# Altium PCB PROC114E3_BRD.PcbDoc (part 5 of 18)
Units mm, origin at the board's own origin, x right, y up, seen from the top; angles counter-clockwise.
Board outline 85 x 155.18 mm, 10 copper layers (TOP, L02_GND1, L03_SIG1, L04_GND2, L05_PWR1, L06_PWR2, L07_GND3, L08_SIG2, L09_GND4, BOTTOM), stack 1.134 mm thick; 1389 components, 1010 nets, 5137 pads, 3263 vias.
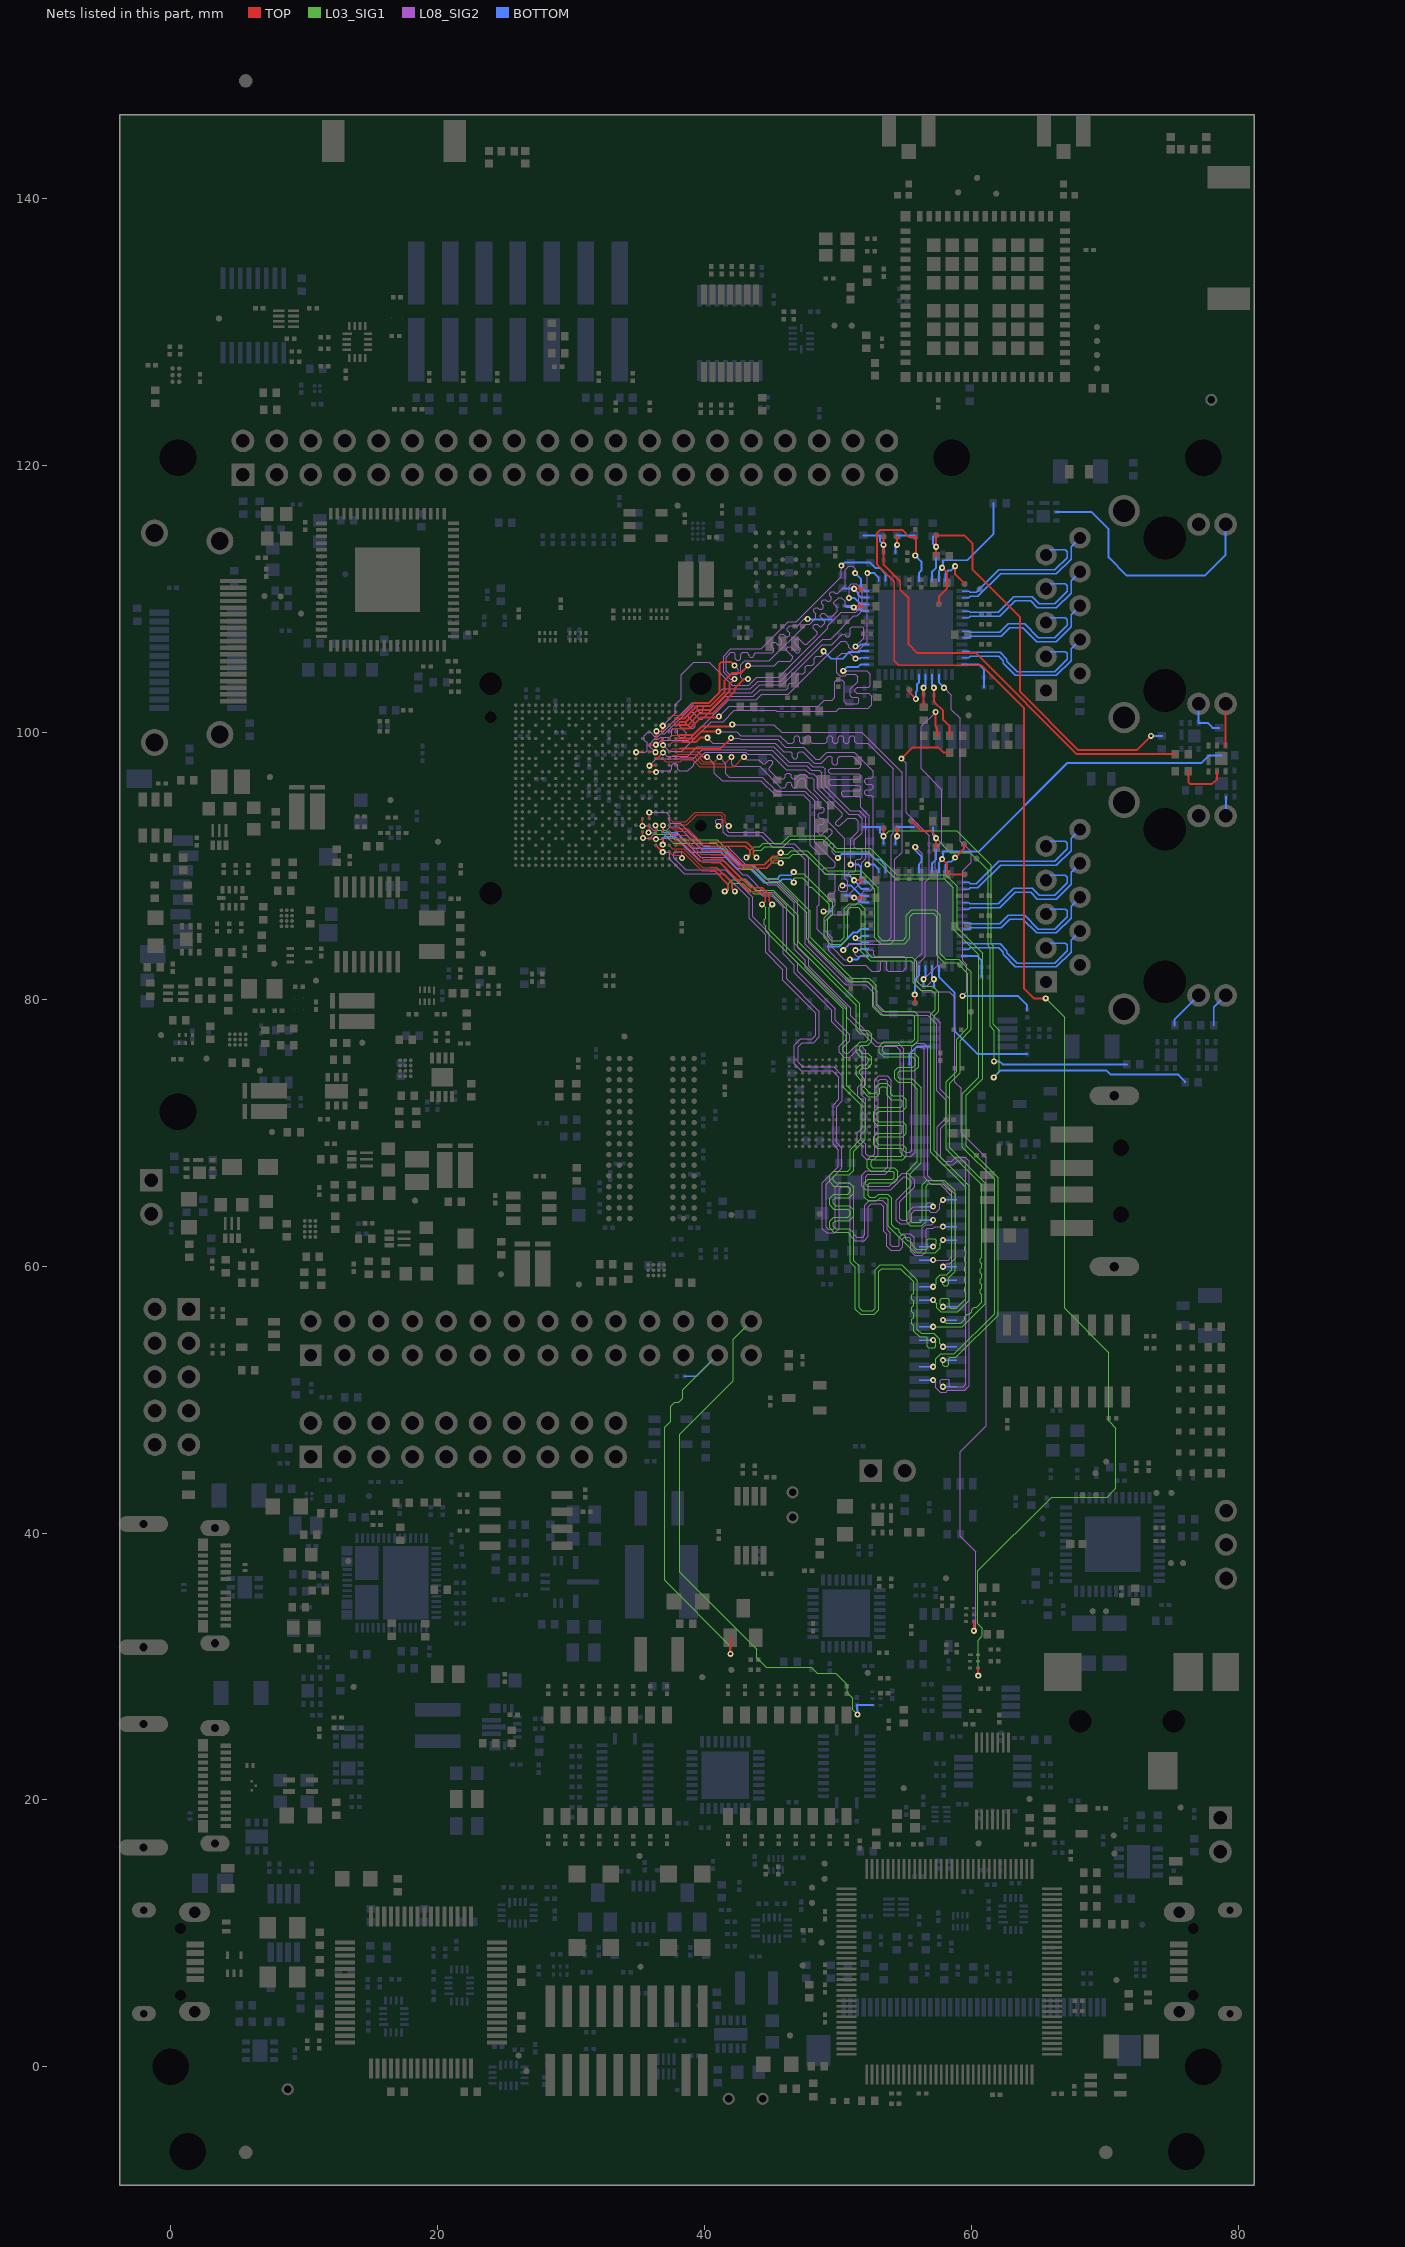
[diagram p13: the nets of this part, all layers, seen from the top]

## Via types
v1: diameter 0.457, hole 0.203, TOP to BOTTOM, 3263 vias

## Nets (pads, with @x,y where several pads share a name; then routed paths per layer and width w, separated by ;. In a path a pad name is that pad's centre, name@x,y a point inside that pad or via, vN(x,y) a via of type N, cw(c..) or ccw(c..) an arc to the next point about the centre after c; other vN are vias at no path point) (continued)
CH1_LVDS_A0N:  | length 66.7
  TOP w0.102: 35.86,92.045 36.326,92.045 v1(36.368,92.002)
  L08_SIG2 w0.081: v1(36.368,92.002) 36.732,92.002 36.811,92.081 37.887,92.081 39.596,90.372 41.451,90.372 42.77,89.052 43.055,89.052 44.347,87.76 45.041,87.76 45.894,86.906 45.894,83.396 46.719,82.57 46.719,82.002 49.547,79.175 49.547,78.315 50.63,77.232 50.63,76.998 50.096,76.465 50.096,76.019 50.449,75.667 50.901,75.667 51.468,76.233 51.629,76.233 51.816,76.046 51.816,73.721 51.486,73.391 51.486,72.747 51.816,72.417 51.816,70.347 51.46,69.992 51.46,69.373 51.816,69.018 51.816,68.326 52.121,68.021 52.73,68.021 53.035,68.326 53.035,73.86 53.166,73.99 53.59,73.99 53.746,73.834 53.746,67.441 53.456,67.15 52.139,67.15 51.804,66.815 51.804,66.027 52.095,65.735 53.975,65.735 54.922,66.683 55.132,66.683 55.507,66.308 55.507,66.077 54.381,64.951 54.381,63.449 54.661,63.17 55.27,63.17 55.537,63.436 55.537,63.976 55.748,64.187 56.818,64.187 56.947,64.059 57.379,64.059 57.633,64.313 57.633,64.71 v1(57.882,64.959)
  BOTTOM w0.108: v1(57.882,64.959) 58.912,64.959
CH1_LVDS_A0P:  | length 66.7
  TOP w0.102: 35.361,92.545 35.361,92.132 v1(35.405,92.087)
  L08_SIG2 w0.081: v1(35.405,92.087) 35.928,92.087 36.194,92.353 38,92.353 39.709,90.644 41.563,90.644 42.883,89.324 43.167,89.324 44.46,88.031 45.153,88.031 46.166,87.019 46.166,83.508 46.991,82.683 46.991,82.114 49.818,79.287 49.818,78.428 50.902,77.345 50.902,76.886 50.368,76.352 50.368,76.132 50.562,75.938 50.789,75.938 51.355,76.505 51.742,76.505 52.088,76.159 52.088,73.608 51.758,73.278 51.758,72.86 52.088,72.53 52.088,70.235 51.732,69.879 51.732,69.486 52.088,69.131 52.088,68.439 52.234,68.293 52.618,68.293 52.763,68.439 52.763,73.972 53.053,74.262 53.703,74.262 54.018,73.947 54.018,67.328 53.569,66.878 52.251,66.878 52.076,66.702 52.076,66.14 52.208,66.007 53.862,66.007 54.81,66.954 55.245,66.954 55.778,66.421 55.778,65.964 54.653,64.839 54.653,63.562 54.774,63.442 55.158,63.442 55.265,63.549 55.265,64.089 55.635,64.459 56.573,64.459 56.655,64.54 56.655,64.663 56.736,64.745 57.023,64.745 57.142,64.625 v1(57.142,64.459)
  BOTTOM w0.108: 56.112,64.459 v1(57.142,64.459)
CH1_LVDS_A1N:  | length 66.7
  TOP w0.081: 37.361,91.045 37.611,90.795 38.109,90.795 v1(38.317,90.587)
  L08_SIG2 w0.081: v1(38.317,90.587) 38.317,90.969 38.227,91.059 37.775,91.059 37.694,90.978 37.694,90.597 38.594,89.696 41.576,89.696 43.618,87.656 43.618,86.201 44.856,84.963 44.856,83.642 46.162,82.337 46.162,81.526 48.619,79.068 48.619,77.194 48.184,76.759 47.32,76.759 47.015,76.454 47.015,75.286 47.371,74.93 49.682,74.93 50.345,74.267 50.345,72.393 49.911,71.958 49.911,69.244 50.31,68.845 50.31,67.328 49.116,66.134 49.116,62.927 49.28,62.763 49.653,62.763 49.817,62.927 49.817,65.924 50.128,66.236 50.858,66.236 51.199,65.895 51.199,62.39 51.404,62.185 51.869,62.185 52.027,62.343 52.027,64.578 52.397,64.948 53.318,64.948 53.713,64.553 53.713,62.746 53.942,62.517 53.942,61.606 54.075,61.474 54.51,61.474 54.61,61.573 54.61,62.154 54.882,62.426 55.43,62.426 55.72,62.136 55.72,61.225 55.866,61.079 56.199,61.079 56.345,61.225 56.345,62.871 56.585,63.111 57.037,63.111 57.142,63.216 v1(57.142,63.459)
  BOTTOM w0.108: 56.112,63.459 v1(57.142,63.459)
CH1_LVDS_A1P:  | length 66.7
  TOP w0.102: 36.361,91.545 v1(36.876,91.029)
  L08_SIG2 w0.081: v1(36.876,91.029) 37.317,91.029 37.422,90.924 37.422,90.484 38.481,89.425 41.463,89.425 43.346,87.543 43.346,86.088 44.585,84.85 44.585,83.529 45.89,82.224 45.89,81.413 48.348,78.955 48.348,77.307 48.071,77.031 47.207,77.031 46.744,76.567 46.744,75.173 47.258,74.658 49.57,74.658 50.074,74.154 50.074,72.505 49.639,72.071 49.639,69.131 50.038,68.733 50.038,67.441 48.844,66.247 48.844,62.814 49.167,62.492 49.766,62.492 50.089,62.814 50.089,65.811 50.241,65.964 50.746,65.964 50.927,65.782 50.927,62.277 51.291,61.913 51.982,61.913 52.299,62.23 52.299,64.465 52.509,64.676 53.205,64.676 53.442,64.44 53.442,62.633 53.67,62.404 53.67,61.493 53.962,61.202 54.623,61.202 54.882,61.46 54.882,62.041 54.995,62.154 55.318,62.154 55.448,62.023 55.448,61.112 55.753,60.808 56.312,60.808 56.617,61.112 56.617,62.758 56.698,62.84 57.15,62.84 57.27,62.959 v1(57.882,62.959)
  BOTTOM w0.108: v1(57.882,62.959) 58.912,62.959
CH1_LVDS_A2N:  | length 66.7
  TOP w0.102: v1(35.361,93.002) 35.361,93.545
  L08_SIG2 w0.081: v1(35.361,93.002) 35.83,93.002 36.163,92.669 37.186,92.669 37.456,92.939 38.096,92.939 39.843,91.192 41.595,91.192 42.94,89.847 43.484,89.847 44.742,88.589 45.384,88.589 46.723,87.25 46.723,83.739 47.549,82.914 47.549,82.346 50.681,79.214 50.681,78.653 52.854,76.479 54.378,76.479 54.661,76.196 54.661,68.555 54.966,68.25 55.499,68.25 55.804,68.555 55.804,76.323 55.903,76.423 56.339,76.423 56.464,76.298 56.464,66.65 56.99,66.124 57.672,66.124 58.555,65.241 58.555,60.743 58.271,60.459 v1(57.142,60.459)
  BOTTOM w0.108: 56.112,60.459 v1(57.142,60.459)
CH1_LVDS_A2P:  | length 66.7
  TOP w0.102: 35.86,93.545 35.866,93.551 v1(35.866,94.002)
  L08_SIG2 w0.081: v1(35.866,94.002) 37.125,94.002 37.366,93.762 37.366,93.292 37.447,93.21 38.209,93.21 39.955,91.464 41.708,91.464 43.053,90.119 43.596,90.119 44.855,88.861 45.497,88.861 46.995,87.363 46.995,83.852 47.821,83.027 47.821,82.458 50.952,79.326 50.952,78.765 52.967,76.751 54.491,76.751 54.933,76.309 54.933,68.667 55.078,68.522 55.386,68.522 55.532,68.667 55.532,76.436 55.791,76.695 56.452,76.695 56.736,76.411 56.736,66.762 57.103,66.396 57.785,66.396 58.826,65.354 58.826,60.63 58.384,60.187 58.11,60.187 v1(57.882,59.959)
  BOTTOM w0.108: v1(57.882,59.959) 58.912,59.959
CH1_LVDS_A3N:  | length 66.8
  TOP w0.108: v1(36.341,93.027) 36.36,93.008 36.36,92.545
  L03_SIG1 w0.081: v1(36.341,93.027) 36.341,92.868 36.558,92.652 37.091,92.652 37.785,91.958 40.964,91.958 42.912,90.01 43.725,90.01 44.693,89.041 45.502,89.041 47.948,86.596 47.948,84.666 51.043,81.571 52.364,81.571 52.888,81.047 52.888,79.548 53.322,79.113 55.713,79.113 56.025,78.802 56.025,76.878 55.695,76.549 53.539,76.549 53.377,76.386 53.377,76.122 53.539,75.959 55.74,75.959 56.062,75.638 56.062,74.949 55.74,74.627 54.635,74.627 54.526,74.518 54.526,74.147 54.635,74.038 55.562,74.038 56.236,73.365 56.236,67.742 55.423,66.929 55.423,63.424 55.55,63.297 56.181,63.297 56.337,63.453 56.337,66.116 56.667,66.446 57.988,66.446 58.793,65.641 58.793,59.606 58.318,59.131 58.318,58.674 58.191,58.547 57.988,58.547 57.882,58.654 v1(57.882,58.959)
  BOTTOM w0.108: v1(57.882,58.959) 58.912,58.959
CH1_LVDS_A3P:  | length 66.8
  TOP w0.102: v1@35.816,92.501 35.86,92.546 35.86,93.045
  L03_SIG1 w0.081: v1(35.816,92.5) 36.325,92.5 36.445,92.38 36.979,92.38 37.672,91.686 40.851,91.686 42.799,89.738 43.612,89.738 44.58,88.77 45.39,88.77 47.676,86.483 47.676,84.553 50.93,81.299 52.251,81.299 52.616,80.934 52.616,79.435 53.209,78.842 55.601,78.842 55.753,78.689 55.753,76.991 55.583,76.821 53.427,76.821 53.105,76.499 53.105,76.009 53.427,75.688 55.627,75.688 55.79,75.525 55.79,75.062 55.627,74.899 54.523,74.899 54.254,74.631 54.254,74.034 54.523,73.766 55.449,73.766 55.964,73.252 55.964,67.855 55.151,67.042 55.151,63.311 55.437,63.025 56.294,63.025 56.609,63.34 56.609,66.003 56.78,66.175 57.875,66.175 58.522,65.528 58.522,59.719 58.162,59.36 57.683,59.36 57.379,59.055 57.379,58.695 v1(57.142,58.459)
  BOTTOM w0.108: 56.112,58.459 v1(57.142,58.459)
CH1_LVDS_CLKN:  | length 66.7
  TOP w0.081: 37.361,91.545 37.61,91.296 38.438,91.296 39.888,89.846 40.361,89.846 40.383,89.869
  TOP w0.108: 40.383,89.869 40.929,89.869 42.039,88.759 42.039,88.333 v1(42.285,88.087)
  L03_SIG1 w0.081: v1(42.285,88.087) 42.09,88.282 42.09,88.582 42.21,88.702 42.887,88.702 43.697,87.892 45.048,87.892 46.744,86.196 46.744,84.19 51.373,79.56 51.373,77.735 51.694,77.413 52.113,77.413 52.276,77.251 52.276,76.987 52.113,76.824 51.694,76.824 51.373,76.503 51.373,76.013 51.694,75.691 52.113,75.691 52.276,75.529 52.276,75.265 52.113,75.102 51.694,75.102 51.373,74.78 51.373,74.29 51.751,73.912 51.751,73.242 52.296,72.697 52.885,72.697 53.156,72.968 53.156,73.324 53.276,73.444 53.547,73.444 53.687,73.305 53.687,72.801 54.002,72.486 54.722,72.486 54.846,72.362 54.846,72.021 54.722,71.897 53.02,71.897 52.699,71.575 52.699,70.812 52.959,70.552 54.745,70.552 54.846,70.45 54.846,70.064 54.745,69.962 52.959,69.962 52.699,69.702 52.699,69.09 52.959,68.829 54.745,68.829 54.846,68.728 54.846,68.342 54.745,68.24 52.477,68.24 52.216,67.98 52.216,67.368 52.477,67.107 54.11,67.107 54.211,67.006 54.211,66.62 54.11,66.518 52.269,66.518 51.994,66.243 51.994,65.176 52.273,64.897 52.934,64.897 53.17,65.133 53.634,65.133 53.779,64.987 53.779,62.981 55.767,60.993 57.285,60.993 57.658,61.366 57.658,61.736 v1(57.882,61.959)
  BOTTOM w0.108: v1(57.882,61.959) 58.912,61.959
CH1_LVDS_CLKP:  | length 66.7
  TOP w0.081: 37.86,91.045 37.898,91.083 38.349,91.083 39.799,89.633 40.33,89.633 40.383,89.579
  TOP w0.108: 40.383,89.579 40.809,89.579 41.75,88.639 41.75,88.314 v1(41.523,88.087)
  L03_SIG1 w0.081: v1(41.523,88.087) 41.681,88.087 41.819,88.224 41.819,88.695 42.097,88.974 42.999,88.974 43.81,88.163 45.161,88.163 47.015,86.309 47.015,84.302 51.645,79.673 51.645,77.848 51.807,77.685 52.226,77.685 52.548,77.364 52.548,76.874 52.226,76.552 51.807,76.552 51.645,76.39 51.645,76.126 51.807,75.963 52.226,75.963 52.548,75.641 52.548,75.152 52.226,74.83 51.807,74.83 51.645,74.668 51.645,74.403 52.023,74.024 52.023,73.355 52.409,72.969 52.772,72.969 52.884,73.081 52.884,73.436 53.163,73.716 53.66,73.716 53.958,73.417 53.958,72.914 54.115,72.758 54.835,72.758 55.118,72.475 55.118,71.909 54.835,71.625 53.133,71.625 52.97,71.463 52.97,70.925 53.072,70.823 54.857,70.823 55.118,70.563 55.118,69.951 54.857,69.69 53.072,69.69 52.97,69.589 52.97,69.203 53.072,69.101 54.857,69.101 55.118,68.841 55.118,68.229 54.857,67.968 52.589,67.968 52.488,67.867 52.488,67.481 52.589,67.379 54.222,67.379 54.483,67.118 54.483,66.507 54.222,66.246 52.381,66.246 52.266,66.13 52.266,65.289 52.386,65.169 52.821,65.169 53.057,65.405 53.746,65.405 54.051,65.1 54.051,63.094 54.3,62.845 54.452,62.845 54.613,62.684 54.613,62.531 54.774,62.37 54.927,62.37 55.088,62.209 55.088,62.057 55.249,61.896 55.401,61.896 55.562,61.735 55.562,61.583 55.88,61.265 56.612,61.265 56.693,61.346 56.693,61.971 56.774,62.052 57.277,62.052 57.379,61.951 57.379,61.695 v1(57.142,61.459)
  BOTTOM w0.108: 56.112,61.459 v1(57.142,61.459)
CH2_LVDS_A0N:  | length 64.2
  TOP w0.108: 36.86,92.545 36.86,92.988 v1(36.9,93.027)
  L03_SIG1 w0.081: v1(46.697,89.527) 46.829,89.395 47.461,89.395 49.624,87.231 49.624,86.366 49.251,85.993 49.251,84.709 49.556,84.404 50.221,84.404 50.465,84.648 50.465,86.786 50.851,87.173 51.629,87.173 52.046,86.756 52.046,83.667 52.553,83.16 55.575,83.16 55.931,82.804 55.931,81.356 56.319,80.968 57.132,80.968 57.556,80.543 57.556,79.096 57.244,78.783 57.244,68.664 59.868,66.04 59.868,57.455 58.979,56.566 57.709,56.566 57.404,56.871 57.404,57.197 v1(57.142,57.459)
  BOTTOM w0.108: v1(36.9,93.027) 36.905,92.573 37.013,92.465 37.938,92.465 39.101,91.303 41.377,91.303 42.6,90.08 43.553,90.08 44.596,89.037 45.447,89.037 45.701,89.291 46.46,89.291 v1(46.697,89.527) ; 56.112,57.459 v1(57.142,57.459)
CH2_LVDS_A0P:  | length 64.2
  TOP w0.108: 36.86,92.045 36.86,91.605 v1(36.876,91.588)
  L03_SIG1 w0.081: v1(46.697,88.765) 46.697,89.041 46.778,89.123 47.348,89.123 47.703,88.768 47.703,88.593 47.889,88.407 48.063,88.407 49.352,87.118 49.352,86.479 48.979,86.106 48.979,84.596 49.443,84.132 50.334,84.132 50.736,84.535 50.736,86.674 50.964,86.901 51.516,86.901 51.774,86.643 51.774,83.554 52.44,82.888 55.462,82.888 55.659,82.691 55.659,81.243 56.207,80.696 57.019,80.696 57.285,80.43 57.285,79.208 56.972,78.896 56.972,68.551 59.596,65.927 59.596,61.54 59.512,61.456 59.512,61.154 59.596,61.07 59.596,60.767 59.512,60.684 59.512,60.381 59.596,60.298 59.596,59.995 59.512,59.911 59.512,59.609 59.596,59.525 59.596,59.223 59.512,59.139 59.512,58.837 59.596,58.753 59.596,58.451 59.512,58.367 59.512,58.065 59.596,57.981 59.596,57.568 58.866,56.838 58.453,56.838 58.344,56.947 58.344,57.48 58.242,57.582 57.785,57.582 57.683,57.48 57.683,57.157 v1(57.882,56.959)
  BOTTOM w0.108: v1(36.876,91.588) 36.905,91.588 36.905,92.068 37.013,92.176 37.818,92.176 38.981,91.013 41.257,91.013 42.48,89.79 43.433,89.79 44.475,88.748 45.568,88.748 45.822,89.002 46.46,89.002 v1(46.697,88.765) ; v1(57.882,56.959) 58.912,56.959
CH2_LVDS_A1N:  | length 67
  TOP w0.081: 37.86,92.045 37.898,92.083 38.563,92.083 39.771,90.875 40.46,90.875 40.489,90.846
  TOP w0.108: 40.489,90.846 41.679,90.846 42.721,89.804 44.618,89.804 45.227,90.414 45.523,90.414 v1(45.719,90.218)
  L03_SIG1 w0.081: v1(45.719,90.218) 45.09,90.218 45.009,90.3 45.009,90.513 45.09,90.594 46.347,90.594 46.616,90.863 47.614,90.863 49.112,89.365 51.652,89.365 52.763,88.254 52.763,84.622 53.227,84.158 54.999,84.158 55.397,84.557 55.397,86.204 55.637,86.444 57.164,86.444 57.404,86.204 57.404,83.308 57.988,82.724 58.932,82.724 59.742,81.914 59.742,77.856 58.903,77.017 58.903,74.603 58.123,73.823 58.123,68.75 60.782,66.091 60.782,60.663 60.681,60.561 60.681,60.277 60.782,60.175 60.782,59.891 60.681,59.789 60.681,59.505 60.782,59.403 60.782,59.119 60.681,59.017 60.681,58.733 60.782,58.631 60.782,58.347 60.681,58.245 60.681,57.961 60.782,57.859 60.782,57.306 60.407,56.931 60.233,56.931 60.047,56.745 60.047,56.571 59.861,56.385 59.687,56.385 59.501,56.199 59.501,56.025 59.207,55.731 58.11,55.731 v1(57.882,55.959)
  BOTTOM w0.108: v1(57.882,55.959) 58.912,55.959
CH2_LVDS_A1P:  | length 67
  TOP w0.081: 37.361,92.545 37.61,92.296 38.651,92.296 39.859,91.088 40.432,91.088 40.479,91.135 40.489,91.135
  TOP w0.108: 40.489,91.135 41.8,91.135 42.841,90.094 44.498,90.094 45.107,90.703 45.442,90.703 v1(45.719,90.98)
  L03_SIG1 w0.081: v1(45.719,90.98) 45.833,90.866 46.234,90.866 46.504,91.135 47.727,91.135 49.225,89.637 51.765,89.637 53.035,88.367 53.035,84.734 53.34,84.43 54.886,84.43 55.126,84.669 55.126,86.317 55.524,86.716 57.277,86.716 57.676,86.317 57.676,83.421 58.101,82.996 59.045,82.996 60.014,82.027 60.014,77.743 59.174,76.904 59.174,74.49 58.395,73.711 58.395,68.863 61.054,66.204 61.054,57.193 59.32,55.459 v1(57.142,55.459)
  BOTTOM w0.108: 56.112,55.459 v1(57.142,55.459)
CH2_LVDS_A2N:  | length 66.9
  TOP w0.081: 37.86,92.545 37.898,92.582 38.672,92.582 39.724,91.53 40.369,91.53 40.419,91.481
  TOP w0.108: 40.419,91.481 43.07,91.481 43.381,91.169 43.381,90.858 v1(43.145,90.621)
  L03_SIG1 w0.081: v1(43.145,90.621) 43.301,90.621 43.442,90.762 43.442,91.172 43.709,91.439 44.145,91.439 44.399,91.694 45.796,91.694 46.358,92.256 48.993,92.256 49.922,91.327 52.412,91.327 54.414,89.324 58.076,89.324 58.933,88.467 58.933,85.354 60.844,83.443 60.844,74.049 59.614,72.818 59.614,69.037 62.014,66.637 62.014,56.325 58.852,53.162 58.42,53.162 58.318,53.061 58.318,52.603 58.217,52.502 57.983,52.502 57.882,52.603 v1(57.882,52.959)
  BOTTOM w0.108: v1(57.882,52.959) 58.912,52.959
CH2_LVDS_A2P:  | length 66.9
  TOP w0.081: 37.361,93.045 37.61,92.796 38.76,92.796 39.813,91.744 40.382,91.744 40.408,91.77 40.419,91.77
  TOP w0.108: 40.419,91.77 43.19,91.77 43.671,91.289 43.671,90.858 v1(43.907,90.621)
  L03_SIG1 w0.081: v1(43.907,90.621) 43.713,90.815 43.713,91.059 43.822,91.168 44.257,91.168 44.512,91.422 45.909,91.422 46.471,91.984 48.881,91.984 49.81,91.055 52.299,91.055 54.302,89.052 57.963,89.052 58.661,88.354 58.661,85.241 60.573,83.33 60.573,74.161 59.342,72.931 59.342,68.924 61.742,66.524 61.742,56.437 58.739,53.434 57.727,53.434 57.353,53.061 57.353,52.67 v1(57.142,52.459)
  BOTTOM w0.108: 56.112,52.459 v1(57.142,52.459)
CH2_LVDS_A3N:  | length 66.8
  TOP w0.081: 37.361,93.545 37.611,93.295 38.586,93.295 39.322,94.031 41.274,94.031 41.553,93.751 41.553,93.264 v1(41.827,92.989)
  L08_SIG2 w0.081: v1(41.827,92.989) 41.699,92.861 41.699,92.638 41.812,92.525 44.384,92.525 45.237,91.671 46.716,91.671 47.827,90.56 47.827,84.228 50.698,81.356 52.222,81.356 52.959,80.62 52.959,79.633 53.529,79.063 56.853,79.063 57.683,78.232 57.683,73.254 58.395,72.542 58.395,71.018 57.727,70.35 57.727,68.134 57.992,67.869 58.522,67.869 58.826,68.174 59.538,68.174 59.86,67.851 59.86,51.021 59.527,50.687 58.231,50.687 58.113,50.569 57.66,50.569 57.353,50.876 57.353,51.248 v1(57.142,51.459)
  BOTTOM w0.108: 56.112,51.459 v1(57.142,51.459)
CH2_LVDS_A3P:  | length 66.8
  TOP w0.081: 37.86,93.045 37.897,93.082 38.675,93.082 39.41,93.817 41.185,93.817 41.34,93.663 41.34,93.264 v1(41.065,92.989)
  L08_SIG2 w0.081: v1(41.065,92.989) 40.869,93.186 40.869,93.419 40.95,93.501 41.346,93.501 41.427,93.419 41.427,92.525 41.699,92.253 44.271,92.253 45.124,91.399 46.603,91.399 47.555,90.447 47.555,84.115 50.586,81.084 52.11,81.084 52.687,80.507 52.687,79.52 53.416,78.791 56.74,78.791 57.412,78.119 57.412,73.141 58.123,72.43 58.123,71.131 57.455,70.463 57.455,68.021 57.879,67.597 58.634,67.597 58.939,67.902 59.425,67.902 59.588,67.738 59.588,51.134 59.414,50.959 58.464,50.959 58.344,51.079 58.344,51.455 58.263,51.537 57.785,51.537 57.691,51.443 57.691,51.15 v1(57.882,50.959)
  BOTTOM w0.108: v1(57.882,50.959) 58.912,50.959
CH2_LVDS_CLKN:  | length 66.7
  TOP w0.081: 37.86,91.545 37.898,91.583 38.531,91.583 39.842,90.272 40.446,90.272 40.498,90.22
  TOP w0.108: 40.498,90.22 41.206,90.22 43.362,88.063 44.204,88.063 44.559,87.707 44.559,87.355 v1(44.323,87.119)
  L03_SIG1 w0.081: v1(44.323,87.119) 44.596,86.846 44.596,86.066 44.501,85.97 44.501,85.603 44.596,85.508 44.596,85.103 50.401,79.298 50.401,73.419 51.774,72.046 51.774,69.579 50.923,68.728 50.923,67.289 50.761,67.126 49.713,67.126 49.392,66.805 49.392,66.315 49.713,65.994 50.761,65.994 50.923,65.831 50.923,65.567 50.761,65.404 49.713,65.404 49.392,65.083 49.392,64.593 49.713,64.271 50.761,64.271 50.923,64.109 50.923,63.845 50.761,63.682 49.713,63.682 49.392,63.361 49.392,62.871 49.713,62.549 50.761,62.549 50.923,62.387 50.923,60.3 51.316,59.907 51.316,56.787 51.714,56.388 52.73,56.388 53.078,56.736 53.078,59.614 53.282,59.817 54.686,59.817 55.684,58.819 55.684,57.988 55.55,57.853 55.55,57.525 55.684,57.391 55.684,57.063 55.55,56.929 55.55,56.601 55.684,56.466 55.684,56.139 55.55,56.004 55.55,55.676 55.684,55.542 55.684,55.136 56.126,54.694 56.609,54.694 56.693,54.61 56.693,53.98 56.774,53.899 57.249,53.899 57.353,54.003 57.353,54.248 v1(57.142,54.459)
  BOTTOM w0.108: 56.112,54.459 v1(57.142,54.459)
CH2_LVDS_CLKP:  | length 66.8
  TOP w0.081: 37.361,92.045 37.61,91.796 38.619,91.796 39.93,90.485 40.474,90.485 40.498,90.509
  TOP w0.108: 40.498,90.509 41.326,90.509 43.483,88.353 44.324,88.353 44.849,87.828 44.849,87.355 v1(45.085,87.119)
  L03_SIG1 w0.081: v1(45.085,87.119) 44.868,86.902 44.868,85.216 50.673,79.411 50.673,73.532 52.046,72.159 52.046,69.466 51.195,68.616 51.195,67.176 50.873,66.855 49.826,66.855 49.663,66.692 49.663,66.428 49.826,66.265 50.873,66.265 51.195,65.944 51.195,65.454 50.873,65.132 49.826,65.132 49.663,64.97 49.663,64.706 49.826,64.543 50.873,64.543 51.195,64.222 51.195,63.732 50.873,63.41 49.826,63.41 49.663,63.248 49.663,62.984 49.826,62.821 50.873,62.821 51.195,62.499 51.195,60.413 51.587,60.02 51.587,56.9 51.827,56.66 52.618,56.66 52.807,56.849 52.807,59.727 53.169,60.089 54.799,60.089 55.956,58.932 55.956,55.249 56.239,54.966 57.201,54.966 57.633,54.534 57.633,54.208 v1(57.882,53.959)
  BOTTOM w0.108: v1(57.882,53.959) 58.912,53.959
CLKOUT0:  | length 2.6
  BOTTOM w0.147: 55.382,75.097 55.382,75.919 55.919,76.456 56.922,76.456
CLKOUT_OSC:  | length 1.4
  BOTTOM w0.147: 53.372,75.919 54.822,75.919
CONN_MCU_PORZ:  | length 41.9
  L03_SIG1 w0.091: 43.517,55.867 42.164,54.513 42.164,51.41 38.149,47.396 38.149,37.074 43.92,31.302 43.92,30.654 44.632,29.943 48,29.938 48.452,29.487 49.846,29.487 50.712,28.621 50.712,28.026 51.119,27.62 51.119,26.756 v1(51.474,26.401)
  BOTTOM w0.147: v1(51.474,26.401) 51.474,26.756 51.421,26.81 51.421,27.11 51.431,27.1 52.627,27.1
CONN_MCU_RESETZ:  | length 30.6
  TOP w0.147: v1(41.952,30.944) 41.952,32.152